# Altium PCB AL1000.PcbDoc (part 5 of 8)
Units mil, origin at the board's own origin, x right, y up, seen from the top; angles counter-clockwise.
Board outline 8277.75 x 4143.89 mil, 4 copper layers (Component Side, Ground Plane, Power Plane, Solder Side), stack 33.234 mil thick; 485 components, 360 nets, 1548 pads, 394 vias.
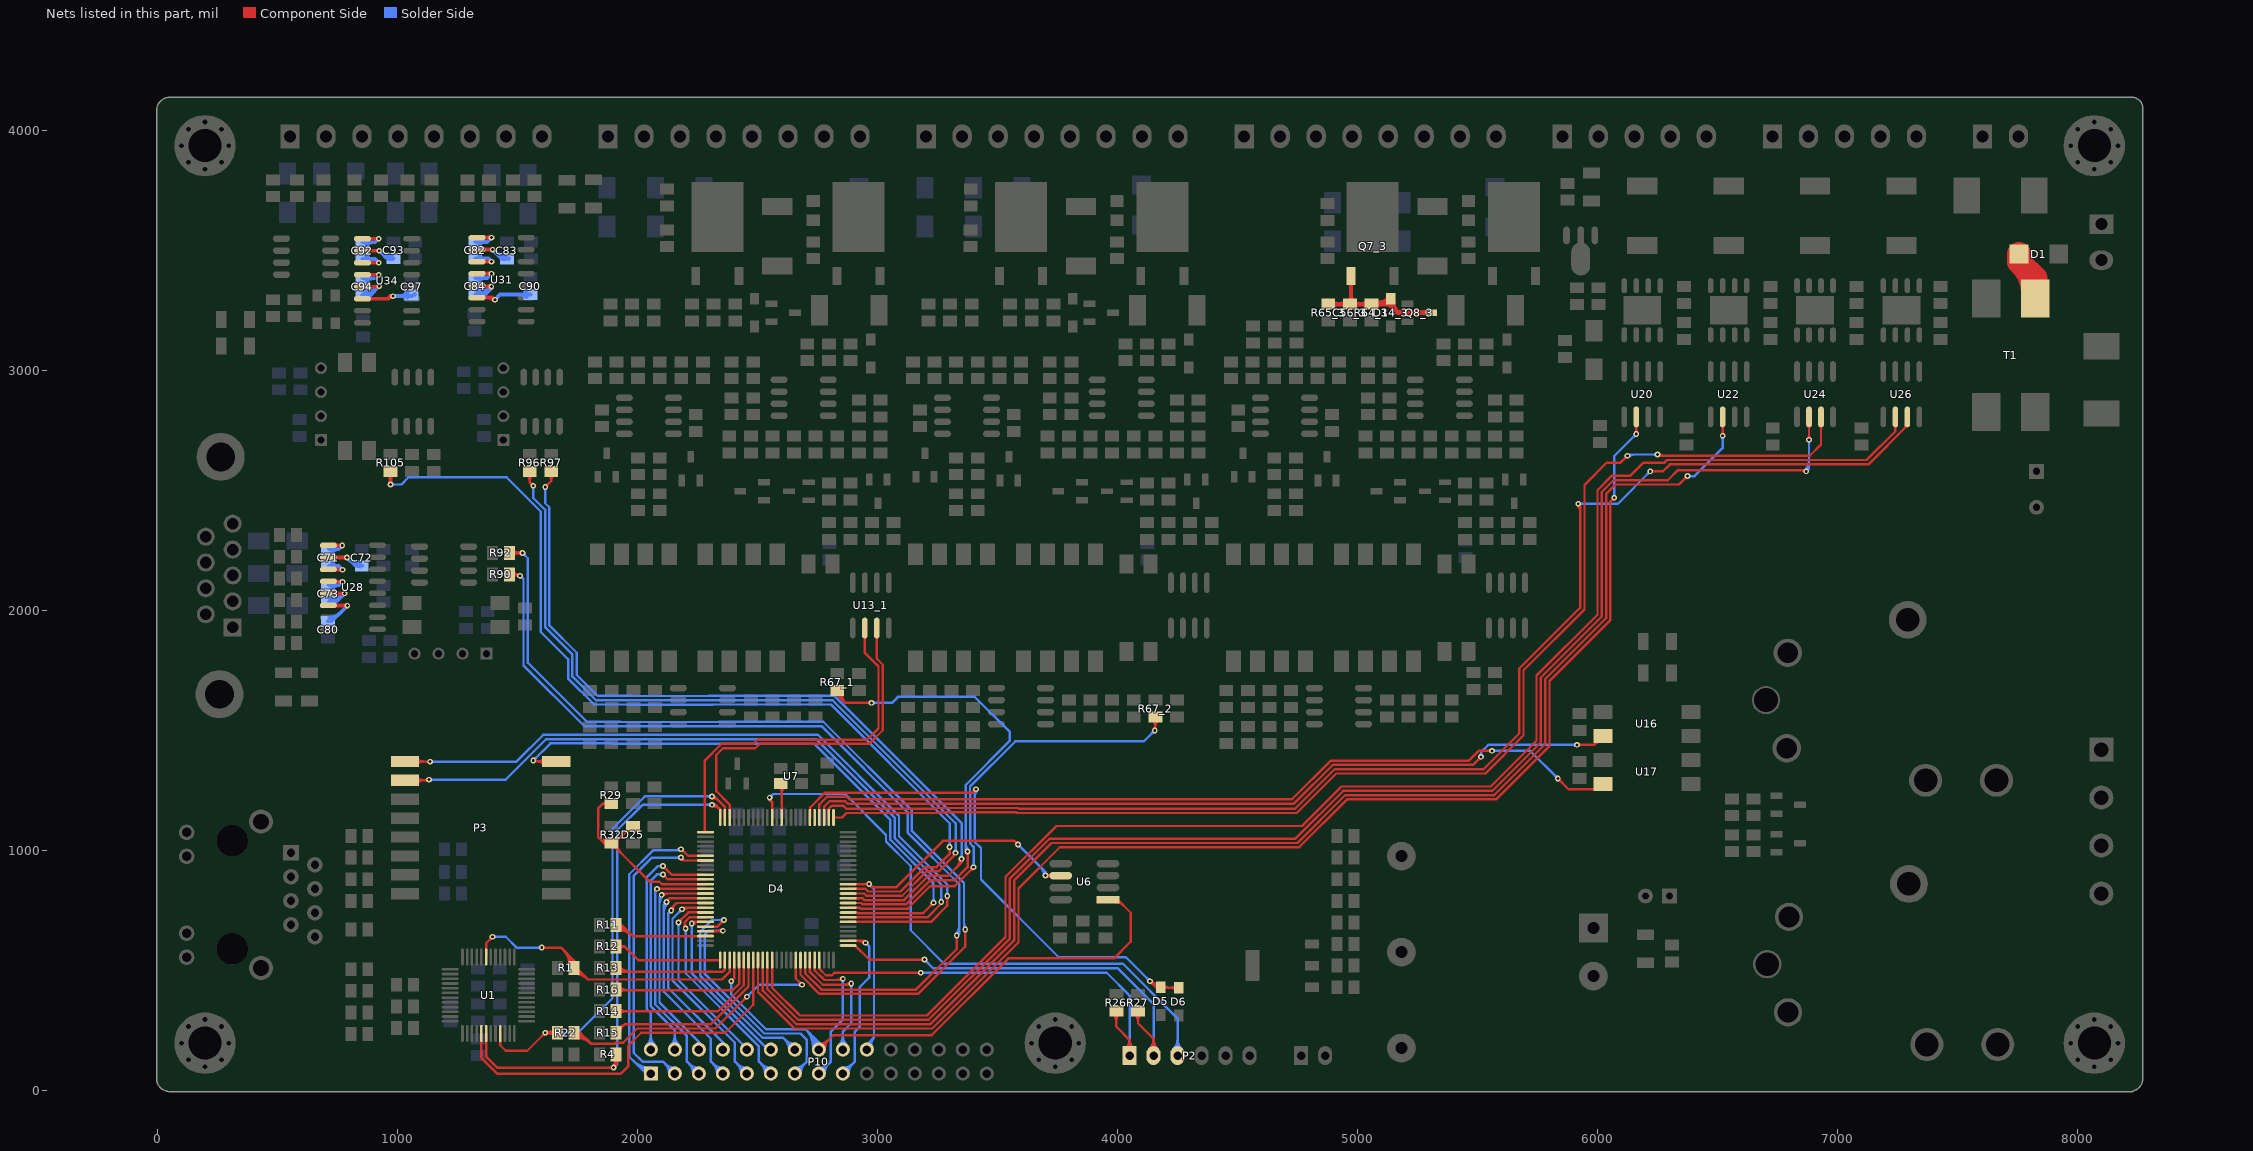
[diagram p7: the nets of this part, all layers, seen from the top]

## Via types
v1: diameter 24, hole 12, Component Side to Solder Side, tented both sides, 224 vias
v2: diameter 40, hole 20, Component Side to Solder Side, tented both sides, 140 vias
v3: diameter 50, hole 24, Component Side to Solder Side, tented both sides, 16 vias
v4: diameter 50, hole 28, Component Side to Solder Side, tented both sides, 10 vias
v5: diameter 50, hole 30, Component Side to Solder Side, tented both sides, 4 vias

## Nets (pads, with @x,y where several pads share a name; then routed paths per layer and width w, separated by ;. In a path a pad name is that pad's centre, name@x,y a point inside that pad or via, vN(x,y) a via of type N, cw(c..) or ccw(c..) an arc to the next point about the centre after c; other vN are vias at no path point) (continued)
NetC56_3_1: C56_3.1 D14_3.1 Q7_3.1 Q8_3.3 R64_3.1 R65_3.1 | length 1155.7
  Component Side w16: C56_3.1@4963.57,3286.95 ccw(c4940.33,3310.18) 4973.19,3310.18 ; Q7_3.1@4965.62,3367.95 cw(c4947.36,3349.68) 4973.19,3349.68 cw(c4999.02,3349.68) Q7_3.1@4980.76,3367.95 ; C56_3.1@4967.95,3276.46 4973.19,3281.69 Q7_3.1@4973.19,3394.21 ; 4973.19,3314.36 ccw(c5011.96,3314.36) C56_3.1@4984.54,3286.95
  Component Side w20: R65_3.1@4877.95,3276.42 C56_3.1@4967.95,3276.46 R64_3.1@5057.95,3276.46 D14_3.1@5132.91,3276.46 ; R65_3.1@4893.13,3267.34 cw(c4915.14,3245.34) 4915.14,3276.46 ; R65_3.1@4893.13,3285.49 ccw(c4914.95,3307.31) 4914.95,3276.46 ; C56_3.1@4952.78,3267.38 ccw(c4930.86,3245.47) 4930.86,3276.46 ccw(c4930.86,3307.44) C56_3.1@4952.78,3285.53 ; C56_3.1@4983.13,3267.38 cw(c5005.04,3245.47) 5005.04,3276.46 cw(c5005.04,3307.44) C56_3.1@4983.13,3285.53 ; R64_3.1@5042.78,3267.38 ccw(c5020.86,3245.47) 5020.86,3276.46 ccw(c5020.86,3307.44) R64_3.1@5042.78,3285.53 ; R64_3.1@5070.47,3287.57 ccw(c5088.97,3319.61) 5098.54,3283.88 ; R64_3.1@5070.85,3276.46 ccw(c5070.85,3361.67) D14_3.1@5131.1,3301.42 ; R64_3.1@5073.13,3267.38 cw(c5095.04,3245.47) 5095.04,3276.46 cw(c5095.04,3307.44) R64_3.1@5073.13,3285.53 ; R64_3.1@5075.17,3270.04 cw(c5096.81,3257.55) 5090.34,3281.68 ; D14_3.1@5119.13,3276.46 ccw(c5119.13,3313.39) D14_3.1@5145.25,3287.27 ; D14_3.1@5127.65,3295.07 ccw(c5156.37,3293.67) 5136.04,3273.33 ; D14_3.1@5137.95,3299.49 5137.95,3281.5 D14_3.1@5132.91,3276.46 ; D14_3.1@5147.63,3294.09 ccw(c5217.22,3290.69) 5167.95,3241.42 ; Q8_3.3@5307.17,3241.42 5167.95,3241.42 ; D14_3.1@5132.91,3276.46 5167.95,3241.42
NetC71_1: C71.1 U28.1 | length 174.3
  Component Side w16: U28.1@710.79,2271.34 v1(768.66,2271.34)
  Solder Side w16: C71.1@712.99,2256.38 753.7,2256.38 ; C71.1@726.59,2265.53 ccw(c748.68,2287.62) 748.68,2256.38 ; C71.1@726.87,2244.84 cw(c753.7,2219.43) 753.7,2256.38 ; v1(768.66,2271.34) 753.7,2256.38
NetC71_2: C71.2 U28.3 | length 188.9
  Component Side w16: U28.3@710.79,2171.34 712.13,2170 v1(770,2170) ; U28.3@737.1,2174.03 ccw(c746.84,2183.77) 746.84,2170
  Solder Side w16: C71.2@712.99,2186.3 753.7,2186.3 ; C71.2@726.59,2195.45 ccw(c748.68,2217.54) 748.68,2186.3 ; C71.2@726.87,2174.76 cw(c753.7,2149.35) 753.7,2186.3 ; v1(770,2170) 753.7,2186.3
NetC72_2: C72.2 U28.2 | length 249.6
  Component Side w16: U28.2@710.79,2221.34 v1(788.66,2221.34)
  Solder Side w16: 814.68,2195.32 ccw(c842.56,2223.2) C72.2@843.94,2183.8 ; C72.2@843.38,2199.79 cw(c840.8,2273.47) v1(788.66,2221.34) 823.7,2186.3 C72.2@852.99,2186.3
NetC73_1: C73.1 U28.5 | length 293.6
  Component Side w16: U28.5@710.79,2071.34 v1(778.66,2071.34)
  Solder Side w16: C73.1@712.99,2036.3 743.62,2036.3 ; C73.1@715.98,2033.8 ccw(c720.98,2081.55) 754.93,2047.6 ; C73.1@717.65,2049.71 ccw(c725.47,2124.52) v1(778.66,2071.34) 743.62,2036.3 ; C73.1@727.83,2044.04 ccw(c743.62,2056.27) 743.62,2036.3 ; C73.1@729.06,2027.74 cw(c743.62,2019.64) 743.62,2036.3
NetC73_2: C73.2 U28.4 | length 233.6
  Component Side w16: U28.4@710.79,2121.34 712.13,2120 v1(770,2120) ; U28.4@737.1,2124.03 ccw(c746.84,2133.77) 746.84,2120
  Solder Side w16: C73.2@712.99,2106.38 756.38,2106.38 v1(770,2120) ; C73.2@726.59,2094.55 cw(c755.15,2065.99) 755.15,2106.38 ; C73.2@726.59,2115.53 ccw(c748.68,2137.62) 748.68,2106.38 ; C73.2@727.46,2106.38 ccw(c727.46,2162.54) v1@767.17,2122.83
NetC80_2: C80.2 U28.6 | length 244.8
  Component Side w16: U28.6@712.13,2020 U28.6@710.79,2021.34 788.66,2021.34 v1(790,2020) ; 777.11,2021.34 cw(c777.11,2007.11) v1@787.17,2017.17
  Solder Side w16: C80.2@710,1955.04 725.04,1955.04 v1(790,2020) ; C80.2@716.1,1969.87 ccw(c716.1,2027.26) 756.68,1986.68
NetC82_1: C82.1 U31.1 | length 190.8
  Component Side w16: U31.1@1330.63,3553.86 v1(1390.47,3553.86)
  Solder Side w16: C82.1@1322.99,3536.38 1372.99,3536.38 v1(1390.47,3553.86) ; C82.1@1339.58,3525.89 cw(c1364.91,3500.56) 1364.91,3536.38 cw(c1364.91,3572.19) C82.1@1339.58,3546.87
NetC82_2: C82.2 U31.3 | length 229.7
  Component Side w16: U31.3@1330.63,3453.86 v1(1390.47,3453.86)
  Solder Side w16: C82.2@1322.99,3466.3 1378.03,3466.3 v1(1390.47,3453.86) ; C82.2@1339.58,3455.81 cw(c1364.91,3430.49) 1364.91,3466.3 cw(c1364.91,3502.11) C82.2@1339.58,3476.79 ; C82.2@1350.78,3466.3 cw(c1350.78,3414.17) v1@1387.64,3451.03
NetC83_2: C83.2 U31.2 | length 239.6
  Component Side w16: U31.2@1330.63,3503.86 v1(1395.51,3503.86)
  Solder Side w16: v1(1395.51,3503.86) 1433.07,3466.3 C83.2@1462.99,3466.3 ; v1@1398.84,3500.53 ccw(c1448.9,3550.59) C83.2@1448.9,3479.8 ; v1@1399.38,3504.89 ccw(c1412.72,3508.47) 1405.81,3496.5 ; C83.2@1426.15,3473.22 ccw(c1448.9,3495.96) C83.2@1448.9,3463.8
NetC84_1: C84.1 U31.5 | length 457.1
  Component Side w16: U31.5@1330.63,3353.86 1334.49,3350 v1(1390,3350) ; U31.5@1356.95,3356.55 ccw(c1372.77,3372.37) 1372.77,3350
  Solder Side w16: C84.1@1322.99,3316.3 1356.3,3316.3 ; C84.1@1328.91,3315.15 ccw(c1335.94,3359.63) 1367.79,3327.78 ; C84.1@1331.41,3330.95 ccw(c1342.01,3397.99) v1(1390,3350) 1356.3,3316.3 ; C84.1@1340.01,3306.25 cw(c1362.91,3285.17) 1362.91,3316.3 ; C84.1@1340.01,3326.35 ccw(c1362.91,3347.43) 1362.91,3316.3 ; 1378.49,3331.88 ccw(c1360.38,3350) v1@1386,3350 ; v1@1393.31,3346.69 1362.91,3316.3 ; 1356.3,3316.3 cw(c1356.3,3333.82) 1341.57,3324.33 ccw(c1356.3,3333.82) 1356.3,3316.3 ; 1356.3,3316.3 ccw(c1356.3,3298.77) 1341.57,3308.27 cw(c1356.3,3298.77) 1356.3,3316.3 ; 1356.3,3316.3 1362.91,3316.3
NetC84_2: C84.2 U31.4 | length 190.8
  Component Side w16: U31.4@1330.63,3403.86 v1(1390.47,3403.86)
  Solder Side w16: C84.2@1322.99,3386.38 1372.99,3386.38 v1(1390.47,3403.86) ; C84.2@1339.58,3375.89 cw(c1364.91,3350.56) 1364.91,3386.38 cw(c1364.91,3422.19) C84.2@1339.58,3396.87
NetC90_2: C90.2 U31.6 | length 322.4
  Component Side w16: U31.6@1330.63,3303.86 1396.14,3303.86 v1(1405,3295) ; 1373.96,3303.86 cw(c1373.96,3263.96) v1@1402.17,3292.17
  Solder Side w16: v1(1405,3295) 1426.3,3316.3 C90.2@1552.99,3316.3 ; C90.2@1536.4,3305.81 ccw(c1511.08,3280.49) 1511.08,3316.3 ccw(c1511.08,3352.11) C90.2@1536.4,3326.79
NetC92_1: C92.1 U34.1 | length 198.6
  Component Side w16: U34.1@852.99,3549.41 v1(921.06,3549.41)
  Solder Side w16: C92.1@852.99,3534.45 906.1,3534.45 v1(921.06,3549.41) ; C92.1@869.58,3523.96 cw(c894.91,3498.63) 894.91,3534.45 cw(c894.91,3570.26) C92.1@869.58,3544.94
NetC92_2: C92.2 U34.3 | length 198.6
  Component Side w16: U34.3@852.99,3449.41 v1(921.06,3449.41)
  Solder Side w16: C92.2@852.99,3464.37 906.1,3464.37 v1(921.06,3449.41) ; C92.2@869.58,3453.88 cw(c894.91,3428.56) 894.91,3464.37 cw(c894.91,3500.18) C92.2@869.58,3474.86
NetC93_2: C93.2 U34.2 | length 234.4
  Component Side w16: U34.2@852.99,3499.41 v1(922.99,3499.41)
  Solder Side w16: 946.56,3475.84 ccw(c972.93,3502.21) C93.2@977.02,3465.14 ; C93.2@975.27,3481.04 cw(c968.26,3544.67) v1(922.99,3499.41) 956.1,3466.3 C93.2@982.99,3466.3
NetC94_1: C94.1 U34.5 | length 315.7
  Component Side w16: U34.5@852.99,3349.41 921.06,3349.41 v1(922.99,3351.34) ; 908.68,3349.41 ccw(c908.68,3365.65) v1@920.16,3354.17
  Solder Side w16: C94.1@852.99,3314.37 886.02,3314.37 ; C94.1@858.98,3313.21 ccw(c864.01,3362.67) 899.17,3327.52 ; C94.1@860.6,3329.13 ccw(c868.42,3405.91) v1(922.99,3351.34) 886.02,3314.37 ; C94.1@871.63,3306.44 cw(c886.02,3297.35) 886.02,3314.37 ; C94.1@871.63,3322.3 ccw(c886.02,3331.39) 886.02,3314.37
NetC94_2: C94.2 U34.4 | length 198.6
  Component Side w16: U34.4@852.99,3399.41 v1(921.06,3399.41)
  Solder Side w16: C94.2@852.99,3384.45 906.1,3384.45 v1(921.06,3399.41) ; C94.2@869.58,3373.96 cw(c894.91,3348.63) 894.91,3384.45 cw(c894.91,3420.26) C94.2@869.58,3394.94
NetC97_2: C97.2 U34.6 | length 308.2
  Component Side w16: U34.6@852.99,3299.41 959.41,3299.41 ; v1@979.42,3306.04 ccw(c976.02,3282.8) 959.41,3299.41 ; v1(980,3310) 970,3310 959.41,3299.41
  Solder Side w16: v1(980,3310) 1059.29,3310 1069.29,3320 C97.2@1072.99,3316.3 ; 1005.25,3310 ccw(c1005.25,3360.73) C97.2@1041.12,3324.86 ; 1026.35,3310 cw(c1026.35,3289.11) C97.2@1041.12,3303.88
NetD1_2: D1.2 T1.3 | length 354.5
  Component Side w100: D1.2@7757.32,3485 7757.32,3452.68 7824.72,3385.28 T1.3@7824.72,3300 ; D1.2@7762.89,3447.11 cw(c7635.46,3319.69) T1.3@7815.67,3319.69
NetD4_1: D4.1 U24.3 | length 5476
  Component Side w10: D4.1@2816.22,1137.24 2851.24,1137.24 2870,1156 3254.18,1156 3257.18,1159 3577.37,1159 3580.37,1156 4746.91,1156 4911.41,1320.5 5532.77,1320.5 5692,1479.73 5692,1750.73 5946,2004.73 5946,2523.28 6038.9,2616.18 6096.18,2616.18 v1(6125,2645) ; v1@6118,2645 cw(c6101.1,2645) 6113.05,2633.05 cw(c6125,2621.1) v1@6125,2638 ; v1(6250,2650) 6255,2645 6885,2645 6931.77,2691.77 U24.3@6931.77,2806.89 ; v1@6254.95,2654.95 ccw(c6278.97,2678.97) 6278.97,2645 ; U24.3@6926.96,2770.58 cw(c6915.33,2758.95) 6931.77,2758.95 cw(c6948.21,2758.95) U24.3@6936.59,2770.58
  Solder Side w10: v1(6125,2645) 6130,2650 v1(6250,2650) ; v1@6129.95,2640.05 cw(c6153.97,2616.03) 6153.97,2650 ; v1@6245.05,2645.05 ccw(c6233.1,2633.1) 6233.1,2650 ccw(c6233.1,2666.9) v1@6245.05,2654.95
NetD4_2: D4.2 U26.3 | length 5827.7
  Component Side w10: D4.2@2796.54,1137.24 2796.54,1173.66 2808.55,1185.68 2858.32,1185.68 2870,1174 3246.72,1174 3249.72,1177 3584.82,1177 3587.82,1174 4739.46,1174 4903.96,1338.5 5525.31,1338.5 5674,1487.19 5674,1758.19 5928,2012.19 5928,2437 v1(5920,2445) ; D4.2@2797.05,1167.17 cw(c2813.96,1167.17) 2802,1179.13 ; v1@5915.05,2440.05 cw(c5883.79,2408.79) 5928,2408.79 ; v1@5922.12,2447.12 cw(c5907.93,2432.93) 5928,2432.93 ; v1(6220,2580) 6273,2580 6302,2609 7129,2609 7291.77,2771.77 U26.3@7291.77,2806.89 ; v1@6224.95,2575.05 cw(c6236.9,2563.1) 6236.9,2580 cw(c6236.9,2596.9) v1@6224.95,2584.95 ; 7277.58,2757.58 ccw(c7259.77,2775.39) U26.3@7284.96,2775.39
  Solder Side w10: v1(5920,2445) 6085,2445 v1(6220,2580) ; v1@5924.95,2440.05 cw(c5936.9,2428.1) 5936.9,2445 cw(c5936.9,2461.9) v1@5924.95,2449.95 ; v1@6213,2580 cw(c6196.1,2580) 6208.05,2568.05 cw(c6220,2556.1) v1@6220,2573
NetD4_3: D4.3 U16.2 | length 3618.8
  Component Side w10: D4.3@2776.85,1137.24 2776.85,1181.85 2800,1205 2864.46,1205 2874.46,1195 4735,1195 4896.5,1356.5 5481.5,1356.5 v1(5515,1390) ; v1@5508,1390 cw(c5491.1,1390) 5503.05,1378.05 cw(c5515,1366.1) v1@5515,1383 ; v1(5915,1440) 5986.26,1440 ; v1@5919.95,1435.05 cw(c5931.9,1423.1) 5931.9,1440 cw(c5931.9,1456.9) v1@5919.95,1444.95 ; 5988.36,1442.1 cw(c6013.43,1417.03) U16.2@6013.43,1452.48 ; U16.2@5991.11,1466.83 cw(c5969.35,1456.91) 5986.26,1440 ; U16.2@5996.45,1450.19 ccw(c5983.35,1463.29) U16.2@6000.21,1470.98 ; U16.2@6023.27,1477.01 5986.26,1440
  Solder Side w10: v1@5510.05,1394.95 ccw(c5498.1,1406.9) 5515,1406.9 ccw(c5531.9,1406.9) v1@5519.95,1394.95 ; v1(5515,1390) 5515,1410 5545,1440 v1(5915,1440) ; v1@5910.05,1435.05 ccw(c5898.1,1423.1) 5898.1,1440 ccw(c5898.1,1456.9) v1@5910.05,1444.95
NetD4_4: D4.4 U17.2 | length 3603.4
  Component Side w10: D4.4@2757.17,1137.24 2757.17,1192.17 2788,1223 2871.91,1223 2881.91,1213 4727.54,1213 4889.04,1374.5 5464.5,1374.5 5490,1400 5490,1400.36 5504.64,1415 v1(5560,1415) ; v1@5555.05,1410.05 ccw(c5543.1,1398.1) 5543.1,1415 ccw(c5543.1,1431.9) v1@5555.05,1419.95 ; v1@5835,1293 cw(c5835,1276.1) 5846.95,1288.05 cw(c5858.9,1300) v1@5842,1300 ; v1(5835,1300) 5880,1255 6001.26,1255 U17.2@6023.27,1277.01
  Solder Side w10: v1(5560,1415) 5720,1415 v1(5835,1300) ; v1@5564.95,1410.05 cw(c5576.9,1398.1) 5576.9,1415 cw(c5576.9,1431.9) v1@5564.95,1419.95 ; v1@5828,1300 ccw(c5811.1,1300) 5823.05,1311.95 ccw(c5835,1323.9) v1@5835,1307
NetD4_5: D4.5
NetD4_6: D4.6 D5.2 D6.2 | length 2550.9
  Component Side w10: D4.6@2717.8,1137.24 2718.97,1138.42 2718.97,1179.42 2780.54,1241 3396,1241 v1(3410,1255) ; v1@3403,1255 cw(c3386.1,1255) 3398.05,1243.05 cw(c3410,1231.1) v1@3410,1248 ; v1@4135,448 cw(c4135,431.1) 4146.95,443.05 cw(c4158.9,455) v1@4142,455 ; v1@4136.81,448.24 cw(c4141.19,431.92) 4149.63,446.55 cw(c4158.09,461.19) 4141.76,456.81 ccw(c4170.24,464.44) 4155.5,438.91 ; v1@4141.93,454.04 ccw(c4151.99,452.66) 4146.92,443.86 ; 4145.07,444.93 ccw(c4165.65,465.5) D5.2@4178.01,439.16 ; 4155.14,434.86 ccw(c4172.08,451.79) D5.2@4182.26,430.11 ; D5.2@4173.76,448.21 cw(c4159.21,479.21) v1(4135,455) 4161.93,428.07 D6.2@4255,428.07 ; D5.2@4190.38,419.62 cw(c4210.8,399.2) 4210.8,428.07 ; D5.2@4190.38,440.38 ccw(c4220.11,470.11) 4220.11,428.07 ; D6.2@4244.62,417.69 ccw(c4219.55,392.62) 4219.55,428.07 ccw(c4219.55,463.52) D6.2@4244.62,438.45
  Solder Side w10: 3405,1226.03 cw(c3438.97,1226.03) v1@3414.95,1250.05 ; v1(3410,1255) 3405,1250 3405,1035.46 3431,1009.46 3431,879 3755,555 4035,555 v1(4135,455) ; v1@4128,455 ccw(c4111.1,455) 4123.05,466.95 ccw(c4135,478.9) v1@4135,462
NetD4_12: D4.12 U7.3 | length 229
  Component Side w10: U7.3@2589.14,1266.03 cw(c2563.69,1240.58) 2599.68,1240.58 ; U7.3@2596.69,1278.5 2599.68,1275.51 D4.12@2599.68,1137.24 ; 2599.68,1231.27 cw(c2648.85,1231.27) U7.3@2614.09,1266.03 ; 2599.68,1255.41 cw(c2624.71,1255.41) U7.3@2607.01,1273.1
NetD4_14: D4.14 P2.3 | length 2701.9
  Component Side w10: v1(2550,1220) 2550,1210.31 2560.32,1200 ; v1@2556.55,1217.52 ccw(c2571.99,1211.68) 2560.31,1200 ; D4.14@2560.32,1137.24 2560.32,1200
  Solder Side w10: v1(2550,1220) 2565,1235 2865,1235 3035,1065 3035,1036.82 3138,933.82 3138,667 3277,528 4022,528 4250,300 P2.3@4250,145 ; v1@2550,1227 ccw(c2550,1243.9) 2561.95,1231.95 ccw(c2573.9,1220) v1@2557,1220 ; P2.3@4232.66,172.19 ccw(c4190.79,214.06) 4250,214.06 ccw(c4309.21,214.06) P2.3@4267.34,172.19 ; P2.3@4239.73,165.11 ccw(c4214.93,189.91) 4250,189.91 ccw(c4285.07,189.91) P2.3@4260.27,165.11
NetD4_23: D4.23 U13_1.3 | length 1482.3
  Component Side w10: D4.23@2383.15,1137.24 2383.15,1191.5 2327.41,1247.23 2327.41,1397.41 2356,1426 2489.73,1426 2507.73,1444 2964.46,1444 3021.62,1501.17 3021.62,1773.83 2996.77,1798.68 U13_1.3@2996.77,1926.93 ; U13_1.3@2991.96,1890.62 cw(c2980.33,1878.99) 2996.77,1878.99 cw(c3013.21,1878.99) U13_1.3@3001.59,1890.62
NetD4_24: D4.24 R22.1 U1.33 | length 2227.3
  Component Side w10: U1.33@1427.2,236.89 1427.2,187.8 1450,165 1540,165 v1(1615,240) R22.1@1664.96,240 ; v1@1608,240 cw(c1591.1,240) 1603.05,228.05 cw(c1615,216.1) v1@1615,233 ; v1@1618.5,233.94 cw(c1630,214.02) 1635.95,236.24 ; v1@1618.5,246.06 ccw(c1630,265.98) 1635.95,243.76 ; v1@1619.95,235.05 cw(c1631.9,223.1) 1631.9,240 cw(c1631.9,256.9) v1@1619.95,244.95 ; v1@1621.06,236.5 cw(c1630.41,231.1) 1627.62,241.53 ; v1@1621.06,243.5 ccw(c1630.41,248.9) 1627.62,238.47 ; R22.1@1652.35,227.39 ccw(c1621.9,196.94) 1621.9,240 ccw(c1621.9,283.06) R22.1@1652.35,252.61 ; v1@2310,1218 cw(c2310,1176.96) 2339.02,1205.98 ; v1(2310,1225) 2320,1225 2363.46,1181.54 ; v1@2310,1228 cw(c2310,1211.1) 2321.95,1223.05 ; D4.24@2363.46,1137.24 2363.46,1176.54
  Solder Side w10: v1(1615,240) 1750.81,240 1895,384.19 1895,1090.46 2029.54,1225 v1(2310,1225) ; v1@1619.95,235.05 cw(c1631.9,223.1) 1631.9,240 cw(c1631.9,256.9) v1@1619.95,244.95 ; v1@2305.05,1220.05 ccw(c2293.1,1208.1) 2293.1,1225 ccw(c2293.1,1241.9) v1@2305.05,1229.95
NetD4_25: D4.25 R4.1 U1.30 | length 2590.7
  Component Side w10: U1.30@1368.15,236.89 1368.15,141.04 1414.19,95 v1(1900,95) 1910.04,105.04 ; v1@1895.05,90.05 ccw(c1883.1,78.1) 1883.1,95 ccw(c1883.1,111.9) 1895.05,99.95 ccw(c1858.86,136.14) R4.1@1910.04,136.14 ; v1@1896.5,101.06 ccw(c1875.93,136.69) R4.1@1915.67,126.04 ; v1@1898.15,101.75 ccw(c1892.46,122.48) 1913.22,116.92 ; R4.1@1898.41,130.37 cw(c1876.63,105.04) 1910.04,105.04 ; v1@1900.91,101.94 ccw(c1902.33,112.74) 1910.04,105.04 ; v1@1901.5,92.4 ccw(c1893,107.12) 1909.42,102.72 ; v1@1902.12,92.88 ccw(c1883.01,111.99) 1910.04,111.99 ; v1@1906.94,95.91 cw(c1917.74,97.33) 1910.04,105.04 ; R4.1@1910.04,150 1910.04,105.04 ; R4.1@1921.67,130.37 ccw(c1943.45,105.04) 1910.04,105.04 ; v1@2309.7,1192.99 cw(c2312.06,1169.35) 2328.85,1186.15 ; v1(2310,1190) 2325,1190 ; v1@2310.7,1183.03 cw(c2314.77,1142.21) D4.25@2343.78,1171.22 ; v1@2315.37,1185.5 cw(c2325,1177.43) 2325,1190 ; v1@2315.37,1194.5 ccw(c2325,1202.57) 2325,1190 ; 2340.04,1174.96 cw(c2332.24,1167.17) D4.25@2343.27,1167.17 ; D4.25@2343.78,1137.24 D4.25@2343.78,1171.22 ; 2325,1190 D4.25@2343.78,1171.22
  Solder Side w10: v1(1900,95) 1915,110 1915,1085 2020,1190 v1(2310,1190) ; v1@1900,102 ccw(c1900,118.9) 1911.95,106.95 ccw(c1923.9,95) v1@1907,95 ; v1@2305.05,1185.05 ccw(c2293.1,1173.1) 2293.1,1190 ccw(c2293.1,1206.9) v1@2305.05,1194.95
NetD4_26: D4.26 U13_1.2 | length 1551.3
  Component Side w10: D4.26@2280,1078.98 2280,1375.46 2348.54,1444 2482.28,1444 2500.28,1462 2957,1462 3003.62,1508.62 3003.62,1766.38 2946.77,1823.23 U13_1.2@2946.77,1926.93 ; 2280,1084.11 ccw(c2290.64,1084.11) D4.26@2283.12,1076.58 ; U13_1.2@2941.96,1890.62 cw(c2930.33,1878.99) 2946.77,1878.99 cw(c2963.21,1878.99) U13_1.2@2951.59,1890.62
NetD4_31: D4.31 P10.1 | length 1473.1
  Component Side w10: v1@2180,998 cw(c2180,974.35) 2196.72,991.07 ; v1(2180,1005) 2180,1000 2187.8,1000 2210,977.8 D4.31@2282.76,977.8 ; v1@2187,1005 ccw(c2197.15,1005) 2189.97,997.82
  Solder Side w10: 1978.99,126.01 ccw(c2055,202.03) P10.1@2055,94.53 ; 1996.06,108.94 ccw(c2055,167.88) P10.1@2055,84.53 ; 2013.13,91.87 ccw(c2055,133.74) P10.1@2055,74.53 ; 2025,80 1965,140 1965,900.46 2064.54,1000 2180,1000 v1(2180,1005) ; 2151.03,1000 ccw(c2151.03,1033.97) v1@2175.05,1009.95
NetD4_32: D4.32 P10.3 | length 1481.6
  Component Side w10: v1(2180,970) 2191.89,958.11 ; v1@2180.03,963 cw(c2180.09,946.31) 2191.89,958.11 ; v1@2187,969.97 ccw(c2203.69,969.91) 2191.89,958.11 ; D4.32@2282.76,958.11 2191.89,958.11
  Solder Side w10: P10.3@2130.47,70 ccw(c2071.26,70) 2113.13,111.87 ccw(c2155,153.74) P10.3@2155,94.53 ; P10.3@2140.47,70 ccw(c2105.4,70) 2130.2,94.8 ccw(c2155,119.6) P10.3@2155,84.53 ; P10.3@2155,70 2105,120 2020,120 1983,157 1983,893 2060,970 v1(2180,970) ; v1@2175.05,965.05 ccw(c2163.1,953.1) 2163.1,970 ccw(c2163.1,986.9) v1@2175.05,974.95
NetD4_35: D4.35 P10.2 | length 1206.2
  Component Side w10: v1@2105,928 cw(c2105,910.24) 2117.56,922.8 ; v1(2105,935) 2105.36,935 2141.3,899.06 D4.35@2282.76,899.06 ; v1@2112,935 ccw(c2128.04,935) 2116.7,923.66
  Solder Side w10: P10.2@2037.66,187.34 ccw(c1995.79,229.21) 2055,229.21 ccw(c2114.21,229.21) P10.2@2072.34,187.34 ; P10.2@2044.73,180.27 ccw(c2019.93,205.07) 2055,205.07 ccw(c2090.07,205.07) P10.2@2065.27,180.27 ; P10.2@2055,170 2055,322 2037,340 2037,887 2085,935 v1(2105,935) ; v1@2100.05,930.05 ccw(c2088.1,918.1) 2088.1,935 ccw(c2088.1,951.9) v1@2100.05,939.95
NetD4_36: D4.36 P10.4 | length 1194.3
  Component Side w10: v1@2105,893 cw(c2105,876.1) 2116.95,888.05 cw(c2128.9,900) v1@2112,900 ; v1(2105,900) 2125.63,879.37 D4.36@2282.76,879.37
  Solder Side w10: v1@2100.05,895.05 ccw(c2088.1,883.1) 2088.1,900 ccw(c2088.1,916.9) v1@2100.05,904.95 ; v1(2105,900) 2080,900 2055,875 2055,350 2155,250 P10.4@2155,170 ; P10.4@2137.66,187.34 ccw(c2095.79,229.21) 2155,229.21 ccw(c2214.21,229.21) P10.4@2172.34,187.34 ; P10.4@2144.73,180.27 ccw(c2119.93,205.07) 2155,205.07 ccw(c2190.07,205.07) P10.4@2165.27,180.27
NetD4_37: D4.37 D25.A R29.2 R32.1 | length 1245.3
  Component Side w10: 1845.65,1044.35 ccw(c1868.67,1067.36) R32.1@1880.94,1037.22 ; 1856.31,1033.7 ccw(c1874.83,1052.22) R32.1@1884.71,1027.96 ; R32.1@1866.79,1024.91 ccw(c1860.04,1022.92) 1860.04,1029.96 ; R32.1@1866.79,1035.01 cw(c1860.04,1037) 1860.04,1029.96 ; R29.2@1867.97,1186.95 ccw(c1854.96,1180.4) 1854.96,1194.96 ; R29.2@1867.97,1202.98 cw(c1854.96,1209.52) 1854.96,1194.96 ; R32.1@1877.17,1046.48 cw(c1862.5,1082.5) 1835,1055 ; R29.2@1890,1194.96 1854.96,1194.96 ; R32.1@1896.1,1012.13 cw(c1896.1,983.8) 1916.13,1003.83 ; R32.1@1896.1,1037.8 ccw(c1896.1,1072.81) 1920.86,1048.05 ; R32.1@1896.1,1047.8 ccw(c1896.1,1106.95) 1937.93,1065.12 ; R32.1@1903.94,1029.96 ccw(c1937.58,1029.96) 1913.79,1006.17 ; 1921.83,1049.02 ccw(c1940.89,1029.96) 1913.94,1029.96 ccw(c1971.73,1029.96) 1930.86,989.1 ; 1941.67,1068.85 cw(c1973.9,1036.62) D25.A@1973.9,1082.2 ; 1944.19,1071.38 ccw(c1915.53,1100.04) D25.A@1956.06,1100.04 ; D25.A@1972.85,1100.04 1902.77,1029.96 R32.1@1890,1029.96 ; D4.37@2282.76,859.69 2100.32,859.69 2090,870 2049.96,870 R32.1@1890,1029.96 ; 1835,1055 1860.04,1029.96 ; 1835,1055 1835,1175 1854.96,1194.96 ; 1860.04,1029.96 R32.1@1890,1029.96
NetD4_38: D4.38 P10.5 | length 1225.7
  Component Side w10: v1(2080,840) D4.38@2282.76,840 ; v1@2084.95,835.05 cw(c2096.9,823.1) 2096.9,840 cw(c2096.9,856.9) v1@2084.95,844.95